# Altium PCB RobotSomatic.PcbDoc
Units mil, origin at the board's own origin, x right, y up, seen from the top; angles counter-clockwise.
Board outline 1429.9 x 1909.05 mil, 2 copper layers (Top Layer, Bottom Layer); 37 components, 42 nets, 166 pads, 52 vias.
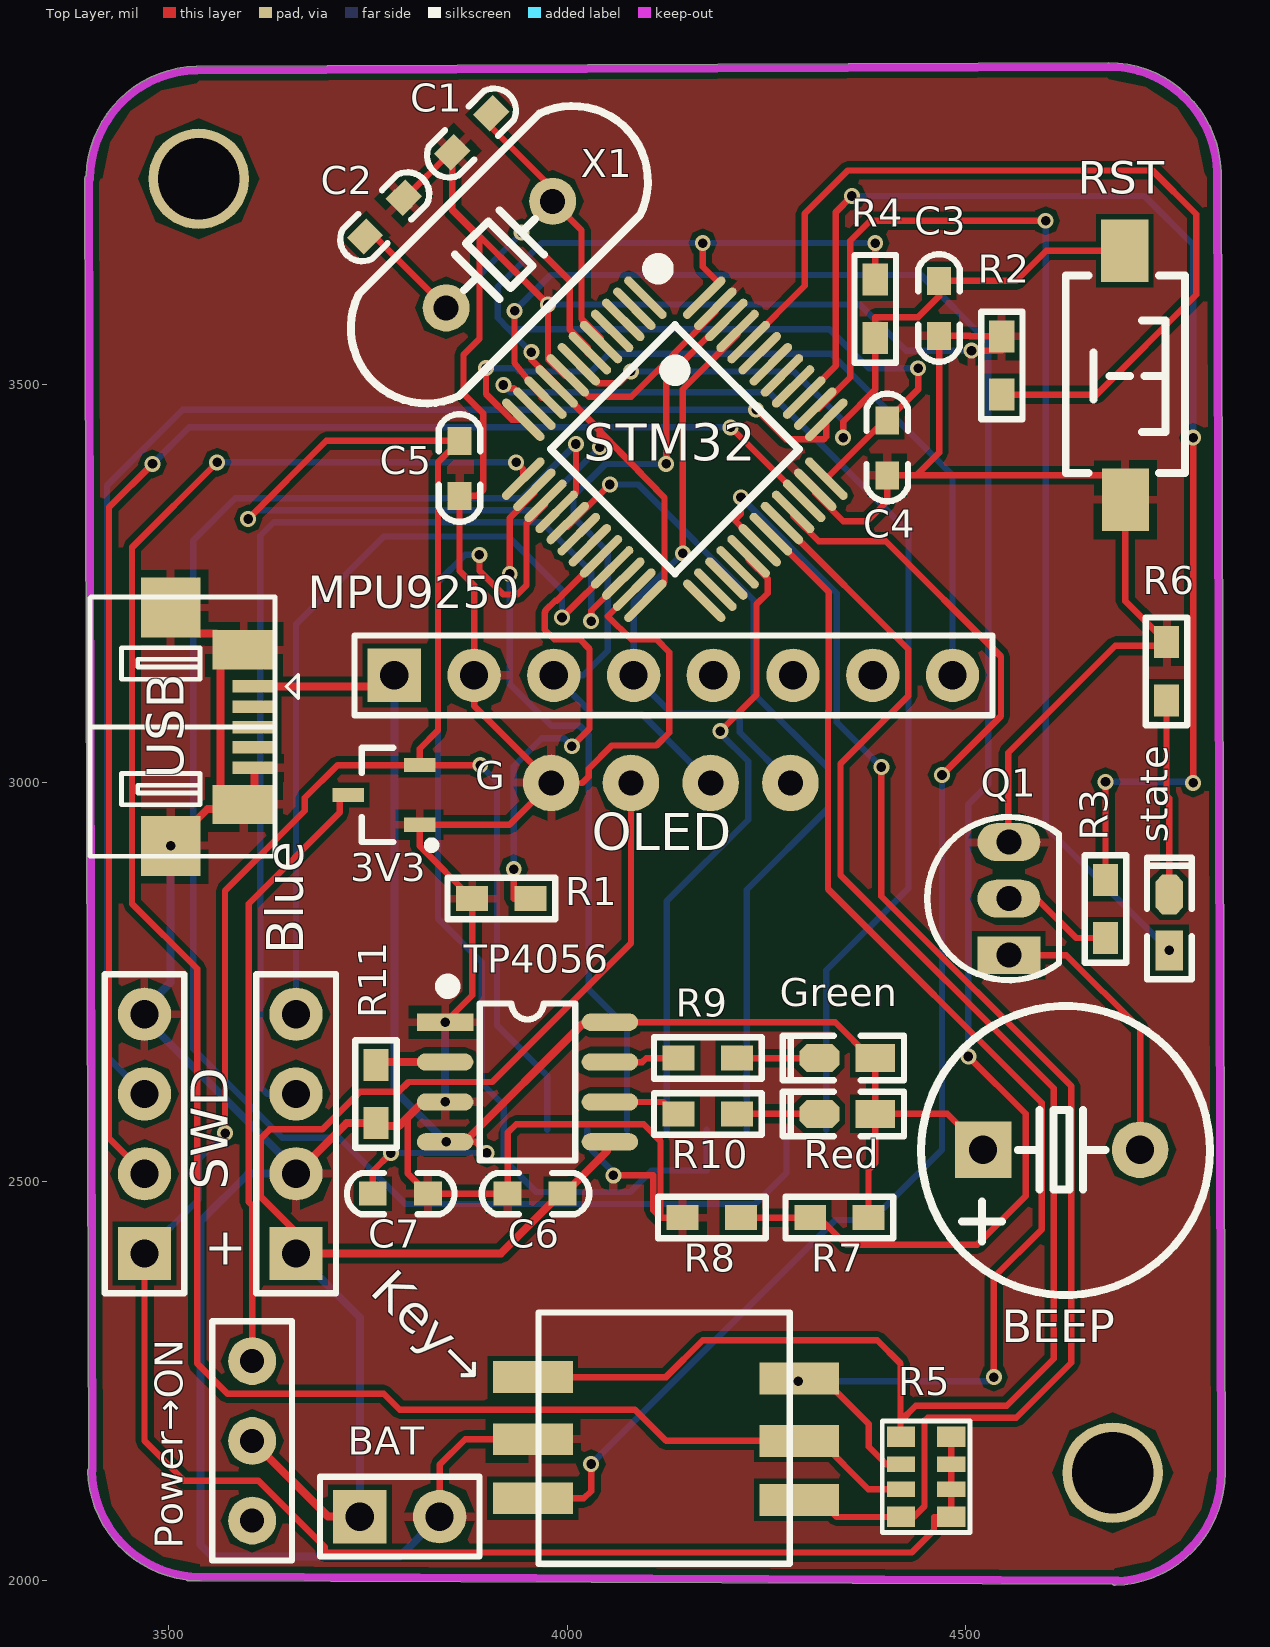
[diagram p0: Top Layer view]
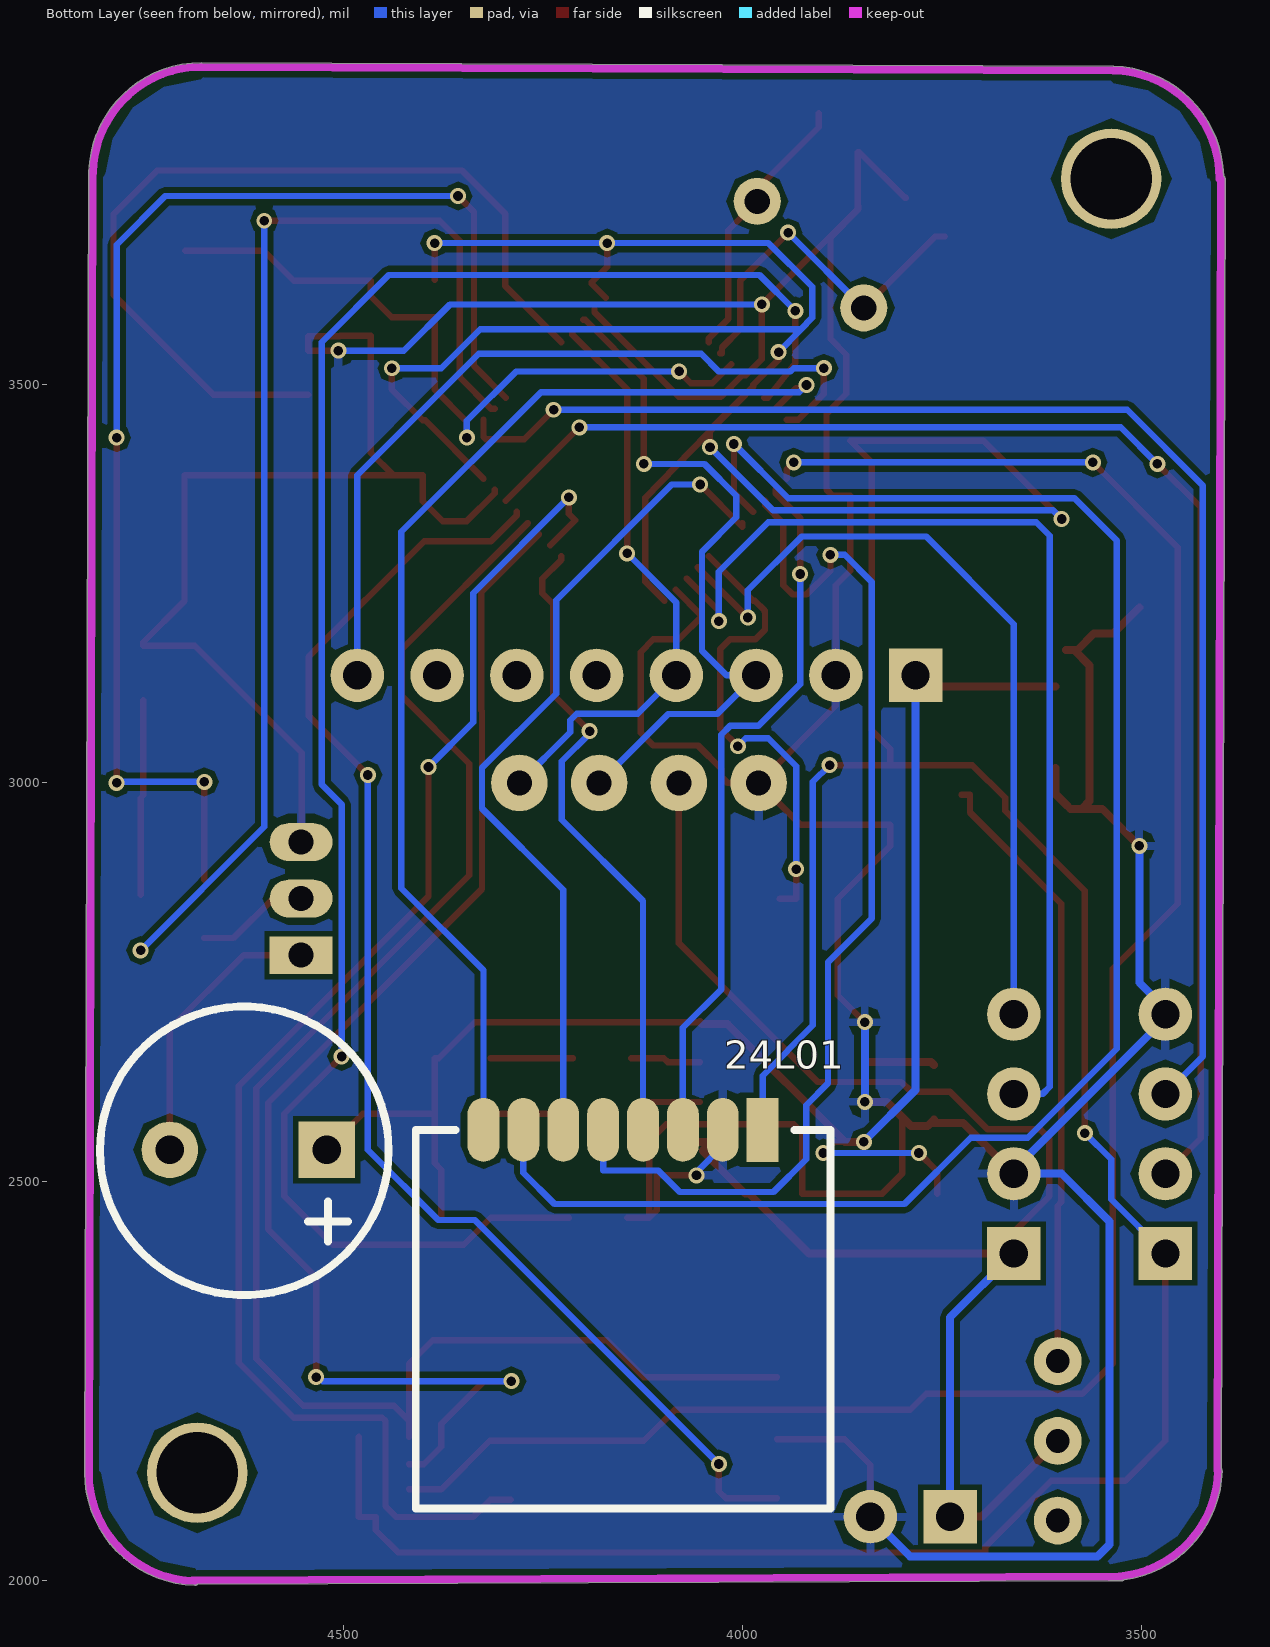
[diagram p1: Bottom Layer view, seen from below]

## Layer stack, top to bottom
Top Solder: solder mask 0.4, Solder Resist, Dk 3.5
Top Layer: signal copper 1.4
Dielectric 1: dielectric 12.6, FR-4, Dk 4.8
Bottom Layer: signal copper 1.4
Bottom Solder: solder mask 0.4, Solder Resist, Dk 3.5

## Board outline
3399.01,2137.53 ccw(c3540,2140.61) 3521.85,2000.76 ccw(c3525,2004.66) 3524.98,1999.64 3538.89,1999.59 3539.98,1999.58 4683.95,1995.01 ccw(c4686.96,1999.02) 4687.07,1994.01 ccw(c4683.99,2135) 4825.02,2135 ccw(c4820,2135) 4825.02,2135.01 4820.15,3765.02 ccw(c4815.13,3765) 4819.98,3766.28 ccw(c4679.02,3762.02) 4679.02,3903.05 ccw(c4679.02,3898.04) 4679,3903.05 3535.66,3898.5 ccw(c3535,3893.53) 3534.89,3898.55 ccw(c3537.98,3757.55) 3397,3761.47 ccw(c3400.13,3757.55) 3395.11,3757.53 3399.95,2140.57 ccw(c3404.02,2137.64)

## Design rules (kind name [scope] priority, off if disabled: settings)
Clearance [All] p1: gap=7 ignorepadtopadclearanceinfootprint=TRUE
HoleToHoleClearance [All] p1: gap=7 allowstackedmicrovias=TRUE
MinimumSolderMaskSliver [All] p1: minsoldermaskwidth=7
NetAntennae [All] p1: netantennaetolerance=1
PolygonConnect [All] p1: connectstyle=Relief reliefconductorwidth=10 reliefentries=4 polygonreliefangle="90 Angle" airgapwidth=10
RoutingVias [All] p1: holewidth=12 width=20 viastyle="Through Hole" minholewidth=12 minwidth=20 maxholewidth=28 maxwidth=40
SilkToSilkClearance [All] p1: silktosilkclearance=0
SilkToSolderMaskClearance [IsPad] p1: minsilkscreentomaskgap=6 clearancetoexposedcopper=TRUE
SolderMaskExpansion [All] p1: expansion=4
Width [All] p1: maxlimit=50 minlimit=6 preferedwidth=8
25 further rules are at their usual default settings.

## Components (designator, comment, footprint, x,y, rotation, side; value= is the part's Value field where it differs from the comment)
3V3 "XC6206P332MR" SOT23-3L 3770,2985 r90 top
24L01 "HDR-1X8" pad*8 3975.01,2565 r0 bottom
BAT "HDR-1X2" HDR-1X2 3740,2080 r0 top
BEEP "BEEP" "BEEP 5x9x5.5" 4620,2540 r270 top
Blue "Bluetooth" HDR-1X4_M 3660,2410 r90 top
C1 "22pF" "C 0603" 3880,3815 r225 top
C2 "22pF" "C 0603" 3771.25,3710 r45 top
C3 "104" "C 0603" 4466.34,3595.64 r90 top
C4 "104" "C 0603" 4401.34,3420.64 r90 top
C5 "104" "C 0603" 3865,3395 r90 top
C6 "10uF" "C 0603" 3960.25,2485 r0 top
C7 "10uF" "C 0603" 3791.25,2485 r0 top
Green "绿色" "LED 0603G" 4351.35,2655.26 r180 top
Key→ "Five-witch" Five-witch 4120,2175 r180 top
MPU9250 "HDR-1X8" HDR2.54-M-LI-8P 4133.25,3135 r0 top
OLED "OLED 0.96-12864_4pin" "OLED 0.96-12864_4pin" 4125,2440.55 r0 top
Power→ON "SW-SPDT" KEY_HDR3 3655,2325 r270 top (schematic designator power)
Q1 "SS8550" TO92A 4553.84,2855 r0 top
R1 "10K" "R 0603" 3917.38,2855 r180 top
R2 "1.5K" "R 0603" 4545,3523.5 r270 top
R3 "1K" "R 0603" 4675,2842.01 r270 top
R4 "10K" "R 0603" 4386.34,3594.59 r90 top
R5 "103" RCA-8P4R-0603 4450,2130 r90 top
R6 "2K" "R 0603" 4751.57,3140 r90 top
R7 "10K" "R 0603" 4341.34,2455 r180 top
R8 "3K" "R 0603" 4181.34,2455 r180 top
R9 "1.5K" "R 0603" 4176.34,2655 r0 top
R10 "1.5K" "R 0603" 4176.34,2585 r180 top
R11 "1.5K" "R 0603" 3760.25,2610 r90 top
Red "红色" "LED 0603R" 4351.35,2585.26 r180 top
RST "3x6x5" "TSW SMD-3*6*2.5" 4700,3510 r270 top
state "红色" "LED 0603R" 4755.26,2825 r90 top
STM32 "STM32F103C8" "LQFP48 7X7_N" 4135,3418.5 r225 top
SWD "Header 4" HDR-1X4 3470,2410 r90 top
TP4056 "TP4056" SOP8_N 3950.25,2625 r0 top
USB "USB-5P" USB-MICRO_A 3515,3070 r270 top
X1 "8MHz" "XTAL-49S DIP" 3915,3662.45 r45 top

## Footprints (in the part's own frame and the unit in brackets; to place one, negate y for a bottom-side part, rotate by r counter-clockwise, add the part's x,y. Pads: shape width x height; smd on the part's side, far side on the other; paste and mask are expansions set on the pad)
"BEEP 5x9x5.5" [mm] "5*9*5.5mm(脚距,直径,高度)"
  rect 1.8x1.8 hole 0.9: 1(0,-2.5)
  round 1.8 hole 0.9: 2(0,2.5)
  silkscreen extent -4.57,-4.47 4.62,4.73, body extent -4.5,-4.5 4.5,4.5, height 5.45
"C 0603" [mil] "无极性贴片电容"
  rect 35x30 smd: 1(-35,0) 2(34,0)
  silkscreen extent -67,-26 67,26, body extent -31,-16 31,16, height 32
Five-witch [mil] "五向开关"
  rect 100x40 smd: 1(-171,74) 2(-171,0) 3(-171,-78) 4(163,-80) 5(163,-2) 6(163,72)
  silkscreen extent -159,-161 156,154
HDR2.54-M-LI-8P [mm] "排母，8脚"
  rect 1.7x1.7 hole 0.9: 1(-8.89,0)
  round 1.7 hole 0.9: 2(-6.35,0) 3(-3.81,0) 4(-1.27,0) 5(1.27,0) 6(3.81,0) 7(6.35,0) 8(8.89,0)
  silkscreen extent -10.16,-1.27 10.16,1.27, body extent -10.16,-1.27 10.16,1.27, height 8.5
HDR-1X2 [mm] "排针，2脚"
  rect 1.7x1.7 hole 0.9: 1(0,0)
  round 1.7 hole 0.9: 2(2.54,0)
  silkscreen extent -1.27,-1.27 3.81,1.27, body extent -1.27,-1.27 3.81,1.27, height 8.5
HDR-1X4 [mm] "排针，4脚"
  rect 1.7x1.7 hole 0.9: 1(0,0)
  round 1.7 hole 0.9: 2(2.54,0) 3(5.08,0) 4(7.62,0)
  silkscreen extent -1.27,-1.27 8.89,1.27, body extent -1.27,-1.27 8.89,1.27, height 8.5
HDR-1X4_M [mm] "排母，4脚"
  rect 1.7x1.7 hole 0.9: 1(0,0)
  round 1.7 hole 0.9: 2(2.54,0) 3(5.08,0) 4(7.62,0)
  silkscreen extent -1.27,-1.27 8.89,1.27, body extent -1.27,-1.27 8.89,1.27, height 8.5
KEY_HDR3 [mil]
  round 60 hole 30: 1(50,-50) 2(150,-50) 3(250,-50)
  silkscreen extent 0,-100 300,0
"LED 0603G" [mil] "绿色0603LED"
  rect 50x35 smd: 1(-35,0.26)
  oct 50x35 smd: 2(35,0.26)
  silkscreen extent -71,-28 81,28, body extent -31,-16 32,16, height 24
"LED 0603R" [mil] "红色0603LED"
  rect 50x35 smd: 1(-35,0.26)
  oct 50x35 smd: 2(35,0.26)
  silkscreen extent -71,-28 81,28, body extent -31,-16 32,16, height 24
"LQFP48 7X7_N" [mm] "48脚，体宽7x7mm，脚距0.5mm"
  oval 0.279x1.8 smd: 1(-2.75,-4.075) 2(-2.25,-4.075) 3(-1.75,-4.075) 4(-1.25,-4.075) 5(-0.75,-4.075) 6(-0.25,-4.075) 7(0.25,-4.075) 8(0.75,-4.075) 9(1.25,-4.075) 10(1.75,-4.075) 11(2.25,-4.075) 12(2.75,-4.075) 25(2.75,4.075) 26(2.25,4.075) 27(1.75,4.075) 28(1.25,4.075) 29(0.75,4.075) 30(0.25,4.075) 31(-0.25,4.075) 32(-0.75,4.075) 33(-1.25,4.075) 34(-1.75,4.075) 35(-2.25,4.075) 36(-2.75,4.075)
  oval 1.8x0.279 smd: 13(4.075,-2.75) 14(4.075,-2.25) 15(4.075,-1.75) 16(4.075,-1.25) 17(4.075,-0.75) 18(4.075,-0.25) 19(4.075,0.25) 20(4.075,0.75) 21(4.075,1.25) 22(4.075,1.75) 23(4.075,2.25) 24(4.075,2.75) 37(-4.075,2.75) 38(-4.075,2.25) 39(-4.075,1.75) 40(-4.075,1.25) 41(-4.075,0.75) 42(-4.075,0.25) 43(-4.075,-0.25) 44(-4.075,-0.75) 45(-4.075,-1.25) 46(-4.075,-1.75) 47(-4.075,-2.25) 48(-4.075,-2.75)
  silkscreen extent -3.93,-4.69 2.79,2.79, body extent -4.5,-4.5 4.5,4.5, height 1.45
"OLED 0.96-12864_4pin" [mm]
  round 1.8 hole 0.8: 1(-3.683,14.21) 2(-1.143,14.21) 3(1.397,14.21) 4(3.937,14.21)
pad*8 [mil]
  rect 40x80 smd: 1(0,0)
  oval 40x80 smd: 2(50,0) 3(100,0) 4(150,0) 5(200,0) 6(250,0) 7(300,0) 8(350,0)
  silkscreen extent -85,0 435,475
"R 0603" [mil] "1/10W贴片电阻"
  rect 40x31.5 smd: 1(-36.5,0) 2(36.5,0)
  silkscreen extent -67,-26 68,26, body extent -31,-16 32,16, height 16
RCA-8P4R-0603 [mm] "3.2mm*1.6mm*0.6mm(长*宽*厚)"
  rect 0.65x0.9 smd: 1(-1.28,-0.8) 4(1.28,-0.8) 5(1.28,0.8) 8(-1.28,0.8)
  rect 0.5x0.9 smd: 2(-0.4,-0.8) 3(0.4,-0.8) 6(0.4,0.8) 7(-0.4,0.8)
  silkscreen extent -1.78,-1.4 1.78,1.4, body extent -1.6,-0.8 1.6,0.8, height 0.6
SOP8_N [mm] "5*6*1.8mm（长宽高）"
  rect 1.8x0.55 smd: 1(-2.625,1.905)
  oval 1.8x0.55 smd: 2(-2.625,0.635) 3(-2.625,-0.635) 4(-2.625,-1.905) 5(2.625,-1.905) 6(2.625,-0.635) 7(2.625,0.635) 8(2.625,1.905)
  silkscreen extent -2.69,-2.5 1.52,3.2, body extent -3,-2.5 3,2.5, height 1.9
SOT23-3L [mm] "3x1.3x1mm(长宽高)"
  rect 0.45x1 smd: 1(-0.95,-1.143) 2(0.95,-1.143) 3(0,1.125)
  silkscreen extent -1.72,-1.65 1.5,0.7, body extent -1.5,-1.2 1.5,1.2, height 1.05
TO92A [mm] "92晶体管"
  rect 2x1.2 hole 0.8: 1(0,-1.8)
  oval 2x1.2 hole 0.8: 2(0,0) 3(0,1.8)
  silkscreen extent -2.6,-2.6 1.6,2.6, body extent -2.3,-2.3 1.3,2.3, height 7.6
"TSW SMD-3*6*2.5" [mm] "3*6*2.5mm"
  rect 2x1.5 smd: 1(-3.996,-0.02) 2(3.937,0)
  silkscreen extent -3.21,-1.9 3.09,1.9, body extent -4,-1.88 4,1.62, height 2.59
USB-MICRO_A [mm] "micro型USB ，5.9*8.2*2.5mm"
  rect 0.4x1.4 smd: 1(-1.296,2.355) 2(-0.648,2.355) 3(0,2.355) 4(0.648,2.355) 5(1.295,2.355)
  rect 1.9x1.9 smd: 5(-3.81,-0.312) 5(3.784,-0.312)
  rect 1.25x2 smd: 5(-2.464,2.025) 5(2.464,2.025)
  silkscreen extent -4.14,-2.89 4.11,3.75, body extent -3.98,-2.77 3.98,2.65, height 2.69
"XTAL-49S DIP" [mm]
  round 1.5 hole 0.8: 1(-2.4,0) 2(2.4,0)
  silkscreen extent -5.7,-2.28 5.7,2.28, body extent -5.68,-2.35 5.68,2.3, height 3.5

## Part data
3V3: "3V3三端稳压芯片", BOM名称=稳压芯片, 学习资源=www.ooocke.com, 版权归属=源创客
24L01 MPU9250: library part "Header 8", "8P接插件", BOM名称=8P接插件, 学习资源=www.ooocke.com, 版权归属=源创客
BAT: library part "Header 2", "2P接插件", BOM名称=2P接插件, 学习资源=www.ooocke.com, 版权归属=源创客
BEEP: "蜂鸣器", BOM名称=蜂, 学习资源=www.ooocke.
Blue: library part Header4booth, "蓝牙/串口"
C1 C2 C3 C4 C5 C6 C7: library part C, "无极性贴片电容", BOM名称=无极性贴片电容, 学习资源=www.ooocke.com, 版权归属=源创客
Green Red state: library part LED-SMD, "贴片LED", BOM名称=贴片LED, 学习资源=www.ooocke.com, 版权归属=源创客
Key→: "五向开关"
OLED: "12864 点阵屏"
Power→ON: "开关", ComponentLink1Description="Manufacturer Link", ComponentLink1URL=http://www.apem.com, DatasheetDocument=05-Dec-2000, LatestRevisionDate=17-Dec-2003, LatestRevisionNote="Schematic revised, PCB Footprint replaced.", PackageReference=TL36WW15050, Published=24-Mar-1999, Publisher="Altium Limited"
Q1: library part 8550-DIP, "高频放大-PNP型", BOM名称=高频放大-PNP型, 学习资源=www.ooocke.com, 属性="40V 1.5A 1W 100MHZ", 版权归属=源创客
R1 R2 R3 R4 R6 R7 R8 R9 R10 R11: library part R, "贴片电阻", BOM名称=贴片电阻, 学习资源=www.ooocke.com, 版权归属=源创客
R5: library part R-8P4R, "贴片网络排阻", BOM名称=贴片网络排阻, 学习资源=www.ooocke.com, 版权归属=源创客
RST: library part "TSW 3x6", "3x6轻触开关", BOM名称=3x6Çá´, 学习资源=www.ooocke.
STM32: "Flaah:64/RAM:20/IO:36", BOM名称=32Î»STMµ, 学习资源=www.ooocke.
SWD: "SWD", LatestRevisionDate=17-Jul-2002, LatestRevisionNote="Re-released for DXP Platform.", Publisher="Altium Limited"
TP4056: "锂电池充电管理", BOM名称=锂电池充电管理, 学习资源=www.ooocke.com, 版权归属=源创客
USB: "微型USB母座", BOM名称=微型USB母座, 学习资源=www.ooocke.com, 版权归属=源创客
X1: library part XTAL-2, "2脚晶振", BOM名称=2脚晶振, 学习资源=www.ooocke.com, 版权归属=源创客

## Free pads (board coordinates)
  round 125.98 hole 102.36: 1(3537.98,3757.55) 3(4683.99,2135)

## Via types
v1: diameter 20, hole 12, Top Layer to Bottom Layer, 52 vias

## Nets (pads, with @x,y where several pads share a name; then routed paths per layer and width w, separated by ;. In a path a pad name is that pad's centre, name@x,y a point inside that pad or via, vN(x,y) a via of type N, cw(c..) or ccw(c..) an arc to the next point about the centre after c; other vN are vias at no path point)
AD0: MPU9250.7
ADC: R7.2 R8.1 STM32.10 | length 2280.1
  Top Layer w8: v1(3934,3592) 3934,3526.57 3968.33,3483.24 STM32.10 ; R8.1 R7.2 4316,2455 4350,2421 4514,2421 4575,2482 4575,2585.01 v1(4503,2657.01)
  Bottom Layer w8: v1(3934,3592) 3979,3637 4443.65,3637 4528,3552.65 4528,2998 4503,2973 v1(4503,2657.01)
BAT+: BAT.1 Blue.1 C6.2 OLED.2 Power→ON.2 TP4056.5 | length 2182.8
  Top Layer w8: 3904,2410 3687,2410 3615.53,2481.47 3615.53,2554 3627.07,2565.53 3692.91,2565.53 3740.37,2613 3789,2613 3801,2625 3906,2625 4080,2799 OLED.2 ; TP4056.5@4039.37,2550 TP4056.5
  Top Layer w10: Power→ON.2 3700,2080 BAT.1 ; Blue.1 3916.75,2410 3991.75,2485 C6.2 3996.75,2485 4050,2538.25 4050,2539.37 4039.37,2550 TP4056.5
  Bottom Layer w10: Blue.1 3740,2330 BAT.1
Beep: R3.1 STM32.39 | length 1637.3
  Top Layer w8: STM32.39 4337,3523.06 4337,3716 v1(4357,3736) ; R3.1 v1(4675,3001.4) ; v1@4785,3001.4 v1(4785,3433)
  Bottom Layer w8: v1(4357,3736) 4724,3736 4785,3675 v1(4785,3433) ; v1(4675,3001.4) v1@4785,3001.4
  other v1: 4785,3000
CE: 24L01.3 STM32.14 | length 897.2
  Top Layer w8: v1(3928,3262) 3928,3332.27 3958.91,3363.18 STM32.14
  Bottom Layer w8: v1(3928,3262) 3928,3124 3980.51,3071.49 4016,3071.49 4027,3060.49 4027,2741.01 4075.01,2693 24L01.3
CSN: 24L01.4 STM32.29 | length 810.3
  Top Layer w8: v1(4192,3065) 4237.4,3110.4 4237.4,3224 4251.32,3237.92 4251.32,3255.92 4227.58,3279.66 STM32.29
  Bottom Layer w8: 24L01.4 4125.01,2852.01 4227,2954 4227,3027 4192,3062 v1(4192,3065)
ECL: MPU9250.6
EDA: MPU9250.5
GND: 3V3.1 24L01.2 BAT.2 Blue.2 C1.2 C2.2 C3.1 C4.1 C5.1 C6.1 C7.2 Key→.5 MPU9250.2 OLED.1 Q1.3 R1.2 R2.1 R6.2 R8.2 R11.1 RST.2 STM32.8 STM32.23 STM32.35 STM32.47 SWD.4 TP4056.1 TP4056.3 USB.5 | length 7612.9
  Top Layer w8: C2.2 3797,3734.04 3853.92,3790.96 C1.2 ; 3800,2580.86 3800,2510.25 C7.2 C6.1 3925.25,2561.25 3936,2572 4096,2572 4117,2551 4117,2455 ; TP4056.3@3819.14,2600 v1(3846.9,2600) ; BAT.2 3840,2145 3872,2177 Key→.5 ; v1(3846.9,2700) 3880.88,2733.97 R1.2 3815,2920.88 3V3.1 3927.6,2947.6 OLED.1 ; v1(4058,2508) 4108,2508 4108,2464 4117,2455 ; STM32.23 4051,3209.23 4080.23,3180 4112,3180 4128,3164 4128,3063 4112,3047 4056,3047 4027,3018 4027,3008 4019,3000 OLED.1 ; R8.2 4117,2455 ; STM32.47 4185.82,3590.09 4080.14,3484.41 4027.33,3484.41 STM32.8 3996.16,3511.08 3976,3531.24 v1(3976,3600) 3855.96,3720.04 C1.2 ; STM32.35 4311.09,3363.18 4346.27,3328 4376.27,3328 4401.34,3353.07 C4.1 4437.98,3385.64 ; v1(4507,3542) 4545,3542 R2.1 4505.64,3560 4505,3560.64 C3.1 4466.34,3414 4437.98,3385.64 ; Q1.3 4553,2925.87 4553,3037.86 4687.14,3172 4751.57,3172 R6.2 4700,3228.07 RST.2 4700,3385.64 4437.98,3385.64 ; C1.2 3855.96,3724.98 3854.98,3724 3854.98,3719.06 3890,3684.04 3890,3557 3870,3537 3870,3488.02 3895,3463.02 3895,3368 3887,3360 C5.1 3865,3266.25 3883.25,3248 MPU9250.2 3883.25,3096.75 OLED.1
  Top Layer w10: v1(3502.72,2921.01) 3549.27,2967.55 USB.5@3575,2967.55 ; USB.5@3502.72,3220.01 3535.12,3187.6 3559.36,3187.6 3579.96,3167.01 USB.5@3584.77,3167.01 ; USB.5@3594.72,3167.01 USB.5@3584.77,3167.01 ; USB.5@3607.72,3019.01 3607.72,2986.01 3594.72,2973.01 3589.27,2967.55 USB.5@3575,2967.55 ; Blue.2 3723.5,2573.5 R11.1 3760.25,2577.75 3768,2570 3789.14,2570 3819.14,2600 v1(3846.9,2600) ; USB.5@3575,2967.55 3565.16,2977.39 3565.16,3147.4 USB.5@3584.77,3167.01
  Bottom Layer w8: v1(3976,3600) 4367,3600 4425,3542 v1(4507,3542) ; 24L01.2 4025.01,2545 4058,2512.01 v1(4058,2508)
  Bottom Layer w10: v1(3502.72,2921.01) 3502.72,2749.64 3470,2716.92 SWD.4 3470,2705 3660,2515 Blue.2 3600,2510 3540,2450 3540,2045 3555,2030 3790,2030 BAT.2 ; v1(3846.9,2600) v1(3846.9,2700)
INT: MPU9250.8 STM32.12 | length 1002.1
  Top Layer w8: v1(3898.24,3520.07) 3898.24,3487.69 3930.54,3455.4 STM32.12
  Bottom Layer w8: v1(3898.24,3520.07) 3936.18,3520.07 3940.24,3516 4030,3516 4052,3538 4331,3538 4483.25,3385.75 MPU9250.8
IRQ: 24L01.8 STM32.11 | length 1430.4
  Top Layer w8: v1(3920,3499) 3920,3495 3933.23,3495 STM32.11
  Bottom Layer w8: v1(3920,3499) 3929,3490 4253,3490 4428,3315 4428,2868 4325.01,2765.01 24L01.8
LED: state.1 STM32.38 | length 1466.7
  Top Layer w8: STM32.38 4315.6,3469.32 4355,3508.72 4355,3680 4380,3705 v1(4600,3705) v1@4600.68,3705
  Bottom Layer w8: v1(4600,3705) 4600,2945 v1(4755,2790)
MISO: 24L01.7 STM32.16 | length 2157.5
  Top Layer w8: STM32.16 4011,3364.1 v1(4011,3425)
  Bottom Layer w8: v1(4011,3425) 3943,3357 3584,3357 3531,3304 3531,2666.63 3642.63,2555 3714.09,2555 3797.09,2472 4236,2472 4275.01,2511.01 24L01.7
MOSI: 24L01.6 STM32.17 | length 1064.7
  Top Layer w8: STM32.17 4000.67,3321.42 v1(4053.47,3374.22)
  Bottom Layer w8: v1(4053.47,3374.22) 4088.93,3374.22 4234,3229.15 4234,3112 4327,3019 4327,2967.99 4225.01,2866 24L01.6
Net3V3_3: 3V3.3 Power→ON.1 | length 770
  Top Layer w8: Power→ON.1 3605,2470 3600.53,2474.47 3600.53,2848.53 3715,2963 3715,2985 3V3.3
NetBEEP_2: BEEP.2 Q1.1 | length 354.6
  Top Layer w8: Q1.1 4626,2784.13 4718.42,2691.71 BEEP.2
NetC1_1: C1.1 STM32.5 X1.2 | length 343.9
  Top Layer w8: C1.1 3904.75,3822.07 3981.81,3745 X1.2 4018,3693.08 4018,3581.76 4042.42,3557.34 STM32.5
NetC2_1: C2.1 STM32.6 X1.1 | length 460.7
  Top Layer w8: C2.1 3758.57,3685.25 X1.1 ; v1(3943,3690) 4003,3630 4003,3568.92 4025.92,3546 4025.92,3538.91 STM32.6
  Bottom Layer w8: X1.1 3848.64,3595.64 v1(3943,3690)
NetC3_2: C3.2 R4.1 RST.1 STM32.7 | length 920.4
  Top Layer w8: STM32.7 4038.33,3501.25 4065,3501.25 v1(4079.75,3516) ; v1(4346,3433) 4346,3453.05 4386.34,3493.39 R4.1 4386.34,3584 4440,3584 4466.34,3610.34 C3.2 4563,3629.64 4600.68,3667.31 RST.1
  Bottom Layer w8: v1(4079.75,3516) 4284,3516 4346,3454 v1(4346,3433)
NetGreen_2: Green.2 R9.2 | length 103.5
  Top Layer w8: R9.2 Green.2
NetQ1_2: Q1.2 R3.2 | length 141.7
  Top Layer w8: Q1.2 4589,2855 4638.49,2805.51 R3.2
NetR1_1: R1.1 STM32.20 | length 598
  Top Layer w8: v1(3933,2892) 3933,2855 R1.1 ; v1(4006,3046) 4028,3068 4028,3168 4016,3180 3984,3180 3972,3192 3972,3213.74 3972.55,3214.29 3972.55,3216.15 3984.85,3228.45 3986.71,3228.45 STM32.20
  Bottom Layer w8: v1(3933,2892) 3933,3021 3968,3056 3996,3056 v1(4006,3046)
NetR2_2: R2.2 STM32.44 | length 1123.3
  Top Layer w8: STM32.44 4298,3623.26 4298,3714 4352,3768 4734,3768 4789,3713 4789,3612 4664,3487 R2.2
NetR6_1: R6.1 state.2 | length 244.9
  Top Layer w8: R6.1 4751.57,2984.43 4755,2981 state.2
NetR9_1: R9.1 TP4056.7 | length 88.3
  Top Layer w8: TP4056.7 4094,2650 4099,2655 R9.1
NetR10_1: R10.1 Red.2 | length 103.5
  Top Layer w8: R10.1 Red.2
NetR10_2: R10.2 TP4056.6 | length 92.5
  Top Layer w8: TP4056.6 4120.59,2600 R10.2@4135.59,2585
  Top Layer w10: R10.2@4135.59,2585 R10.2
NetR11_2: R11.2 TP4056.2 | length 88.1
  Top Layer w10: R11.2 3763.75,2650 TP4056.2
SCL: MPU9250.3 OLED.3 STM32.46 | length 891.1
  Top Layer w8: v1(4124,3400) 4124,3507.06 4197.61,3580.67 STM32.46
  Bottom Layer w8: v1(4124,3400) 4048,3400 4008,3360 4008,3333 4051,3290 4051,3165.63 4020.37,3135 MPU9250.3 4031.76,3086.49 4093.51,3086.49 OLED.3
SCLK: 24L01.5 STM32.15 | length 1370.3
  Top Layer w8: v1(3890,3286) 3890,3266.3 3920,3236.3 3937.3,3236.3 3949,3248 3949,3325.43 3971.75,3348.18 3971.75,3353.76 STM32.15
  Bottom Layer w8: v1(3890,3286) 3872,3286 3838,3252 3838,2830 3893,2775 3893,2623.34 3920.34,2596 3920.34,2528 3961.34,2487 4079.01,2487 4106.01,2514 4175.01,2514 24L01.5
SDA: MPU9250.4 OLED.4 STM32.45 | length 747.1
  Top Layer w8: v1(4145,3288) 4145,3493.59 4213.66,3562.25 STM32.45
  Bottom Layer w8: v1(4145,3288) 4083.25,3226.25 MPU9250.4 4131.5,3086.75 4208,3086.75 4216.21,3078.54 4216.21,3063.79 OLED.4
SW1: Key→.1 R5.8 STM32.30 | length 1825.5
  Top Layer w8: v1(4218,3358) 4218,3337.58 4210,3329.58 STM32.30 ; Key→.1 4316.72,2101 4338.11,2079.61 R5.8 4434.61,2079.61 4448,2093 4448,2200.19 4452,2204.19 4563.19,2204.19 4632,2273 4632,2620 4394,2858 v1(4394,3020)
  Bottom Layer w8: v1(4218,3358) 4338,3238 4338,3076 v1(4394,3020)
SW2: Key→.2 R5.7 STM32.13 | length 2555
  Top Layer w8: v1(3561,3402) 3454.32,3295.32 3454.32,2848.68 3536,2767 3536,2272 3574,2234 3770,2234 3790,2214 4085,2214 4124,2175 Key→.2 4317,2175 4377.75,2114.25 R5.7 ; v1(3936,3402) 3944.99,3393.01 STM32.13
  Bottom Layer w8: v1(3561,3402) v1(3936,3402)
SW3: Key→.3 R5.6 STM32.31 | length 1658.8
  Top Layer w8: STM32.31 4328,3239.42 4328,3091 4327,3090 4327,2867 4595,2599 4595,2440 4535,2380 v1(4535,2255) ; v1(4290,2250) 4324.19,2250 4378,2196.19 4378,2167.75 4400,2145.75 R5.6
  Bottom Layer w8: v1(4290,2250) 4526.75,2250 4531.75,2255 v1(4535,2255)
SW4: Key→.4 R5.5 STM32.32 | length 2068
  Top Layer w8: Key→.4 4124,2255 4170.1,2301.1 4388.9,2301.1 4418,2272 4418,2200 ; STM32.32 4427.72,3167.54 4427.72,3109 4342.72,3024 4342.72,2884.42 4610,2617.14 4610,2278 4551.19,2219.19 4437.19,2219.19 4418,2200 ; R5.5 4418,2180.39 4418,2200
SW5: Key→.6 STM32.33 | length 1701.6
  Top Layer w8: Key→.6 4021,2103 4030,2112 v1(4030,2146) ; STM32.33 4283.25,3335.34 4315.59,3303 4399.53,3303 4544,3158.53 4544,3084 v1(4470,3010)
  Bottom Layer w8: v1(4030,2146) 4336,2452 4382,2452 4470,2540 v1(4470,3010)
SWCLK: STM32.37 SWD.3 | length 1761.8
  Top Layer w8: v1(4237,3468) 4274,3431 4322.01,3431 4325.01,3434 STM32.37
  Bottom Layer w8: SWD.3 3423,2657 3423,3373 3518,3468 v1(4237,3468)
SWDIO: STM32.34 SWD.2 | length 1805.4
  Top Layer w8: SWD.2 3425.54,2554.46 3425.54,3345.54 v1(3480,3400) ; v1(4204.94,3446) STM32.34
  Bottom Layer w8: v1(3480,3400) 3526,3446 v1(4204.94,3446)
USART3_RX: Blue.3 STM32.22 | length 1319.5
  Top Layer w8: v1(4030,3203) 4030,3216.06 STM32.22
  Bottom Layer w8: Blue.3 3624,2610 3615,2619 3615,3310 3632,3327 3968,3327 4030,3265 v1(4030,3203)
USART3_TX: Blue.4 STM32.21 | length 1018.9
  Top Layer w8: v1(3993.55,3207.45) STM32.21
  Bottom Layer w8: Blue.4 3660,3199 3770,3309 3926,3309 3993.55,3241.45 v1(3993.55,3207.45)
VCC: BEEP.1 C7.1 Green.1 MPU9250.1 R7.1 Red.1 TP4056.4 TP4056.8 USB.1 | length 2009.1
  Top Layer w8: C7.1 3756.25,2513.25 v1(3779,2536) ; TP4056.4 v1(3848.19,2550) 3871.51,2550 3885,2550 v1(3899,2536) ; TP4056.8 4336,2700 4381,2655 Green.1 4386.34,2649.66 Red.1 ; R7.1 4377.84,2515 4386.34,2523.5 Red.1 ; BEEP.1 4476.57,2585 Red.1
  Top Layer w10: USB.1 3769.26,3121.01 MPU9250.1 ; TP4056.4 v1(3848.19,2550) 3871.51,2550 4019.28,2697.77 4051.37,2697.77 TP4056.8
  Bottom Layer w8: v1(3779,2536) v1(3899,2536)
  Bottom Layer w10: MPU9250.1 3783.25,2614.93 v1(3848.19,2550)
VCC_3.3: 3V3.2 24L01.1 C4.2 C5.2 R4.2 R5.1 R5.2 R5.3 R5.4 STM32.9 STM32.24 STM32.36 STM32.48 SWD.1 | length 5966.7
  Top Layer w8: SWD.1 3470,2175 3520,2125 3612.98,2125 3696,2041.98 3696,2035 4432,2035 4460,2063 4460,2079.61 R5.1 R5.2 R5.3 R5.4 ; v1(3571,2561) 3571,2865 3671,2965 3671,2981.4 3712,3022.4 3V3.2 ; v1(3600,3331) 3698,3429 C5.2 3838,3402 3838,3066 3815,3043 3V3.2 ; v1(3891,3022.4) 3V3.2 ; v1(3955,3540.23) 3955,3531.02 3986.75,3499.28 STM32.9 ; v1(4041,3421) 4041,3442.9 STM32.9 ; STM32.24 4122,3252.39 4122,3357.4 STM32.9 ; v1(4170,3677) 4170,3647.08 4189.26,3627.83 4189.26,3625.87 STM32.48 ; STM32.36 4398.05,3454.64 C4.2 4440,3493.29 v1(4440,3520) ; R4.2 v1(4386.34,3677)
  Bottom Layer w8: SWD.1 3538,2478 3538,2528 v1(3571,2561) ; v1(3600,3331) 3611,3342 3962,3342 v1(4041,3421) ; v1(3891,3022.4) 3912,3001.4 3912,2696.01 3975.01,2633 24L01.1 ; v1(3955,3540.23) 3926.9,3569 ; v1(4386.34,3677) v1(4170,3677) 3968,3677 3913,3622 3913,3583.23 3926.9,3569 ; v1(4440,3520) 4378,3520 4329,3569 3926.9,3569
pads on no net: Power→ON.3 STM32.1 STM32.2 STM32.3 STM32.4 STM32.18 STM32.19 STM32.25 STM32.26 STM32.27 STM32.28 STM32.40 STM32.41 STM32.42 STM32.43 USB.2 USB.3 USB.4

## Polygon pours and split planes (outlines as drawn)
GND on Top Layer (solid, remove dead copper, pour order 2): 3290,3935 3290,1925 3370,1845 3445,1920 5135,1920 5135,3740 4935,3940
GND on Bottom Layer (solid, remove dead copper, pour order 4): 3235,3955 3225,3945 3225,1945 4965,1945 4930,1980 4930,3955

## Keep-outs
Keep-Out Layer:
  lines w10: 3400.13,3757.55 3404.98,2137.64 ; 3401.96,3757.55 cw(c3537.98,3757.55) 3535,3893.53 ; 3404.02,2137.64 ccw(c3540,2140.61) 3540,2004.6 ; 3525,2004.66 4690,2000 ; 3535,3893.49 4679.02,3898.04 cw(c4679.02,3762.02) 4815,3765 ; 4686.96,1999.02 ccw(c4683.99,2135) 4820,2135 4815.13,3765

## Silkscreen, mask and mechanical layers (free items; w line width, h text height)
Top Overlay:
  text "G" at 3885,2980 h60
  text "+" at 3545,2380 h80